# Allegro board mini_trx_layout.brd (continued)
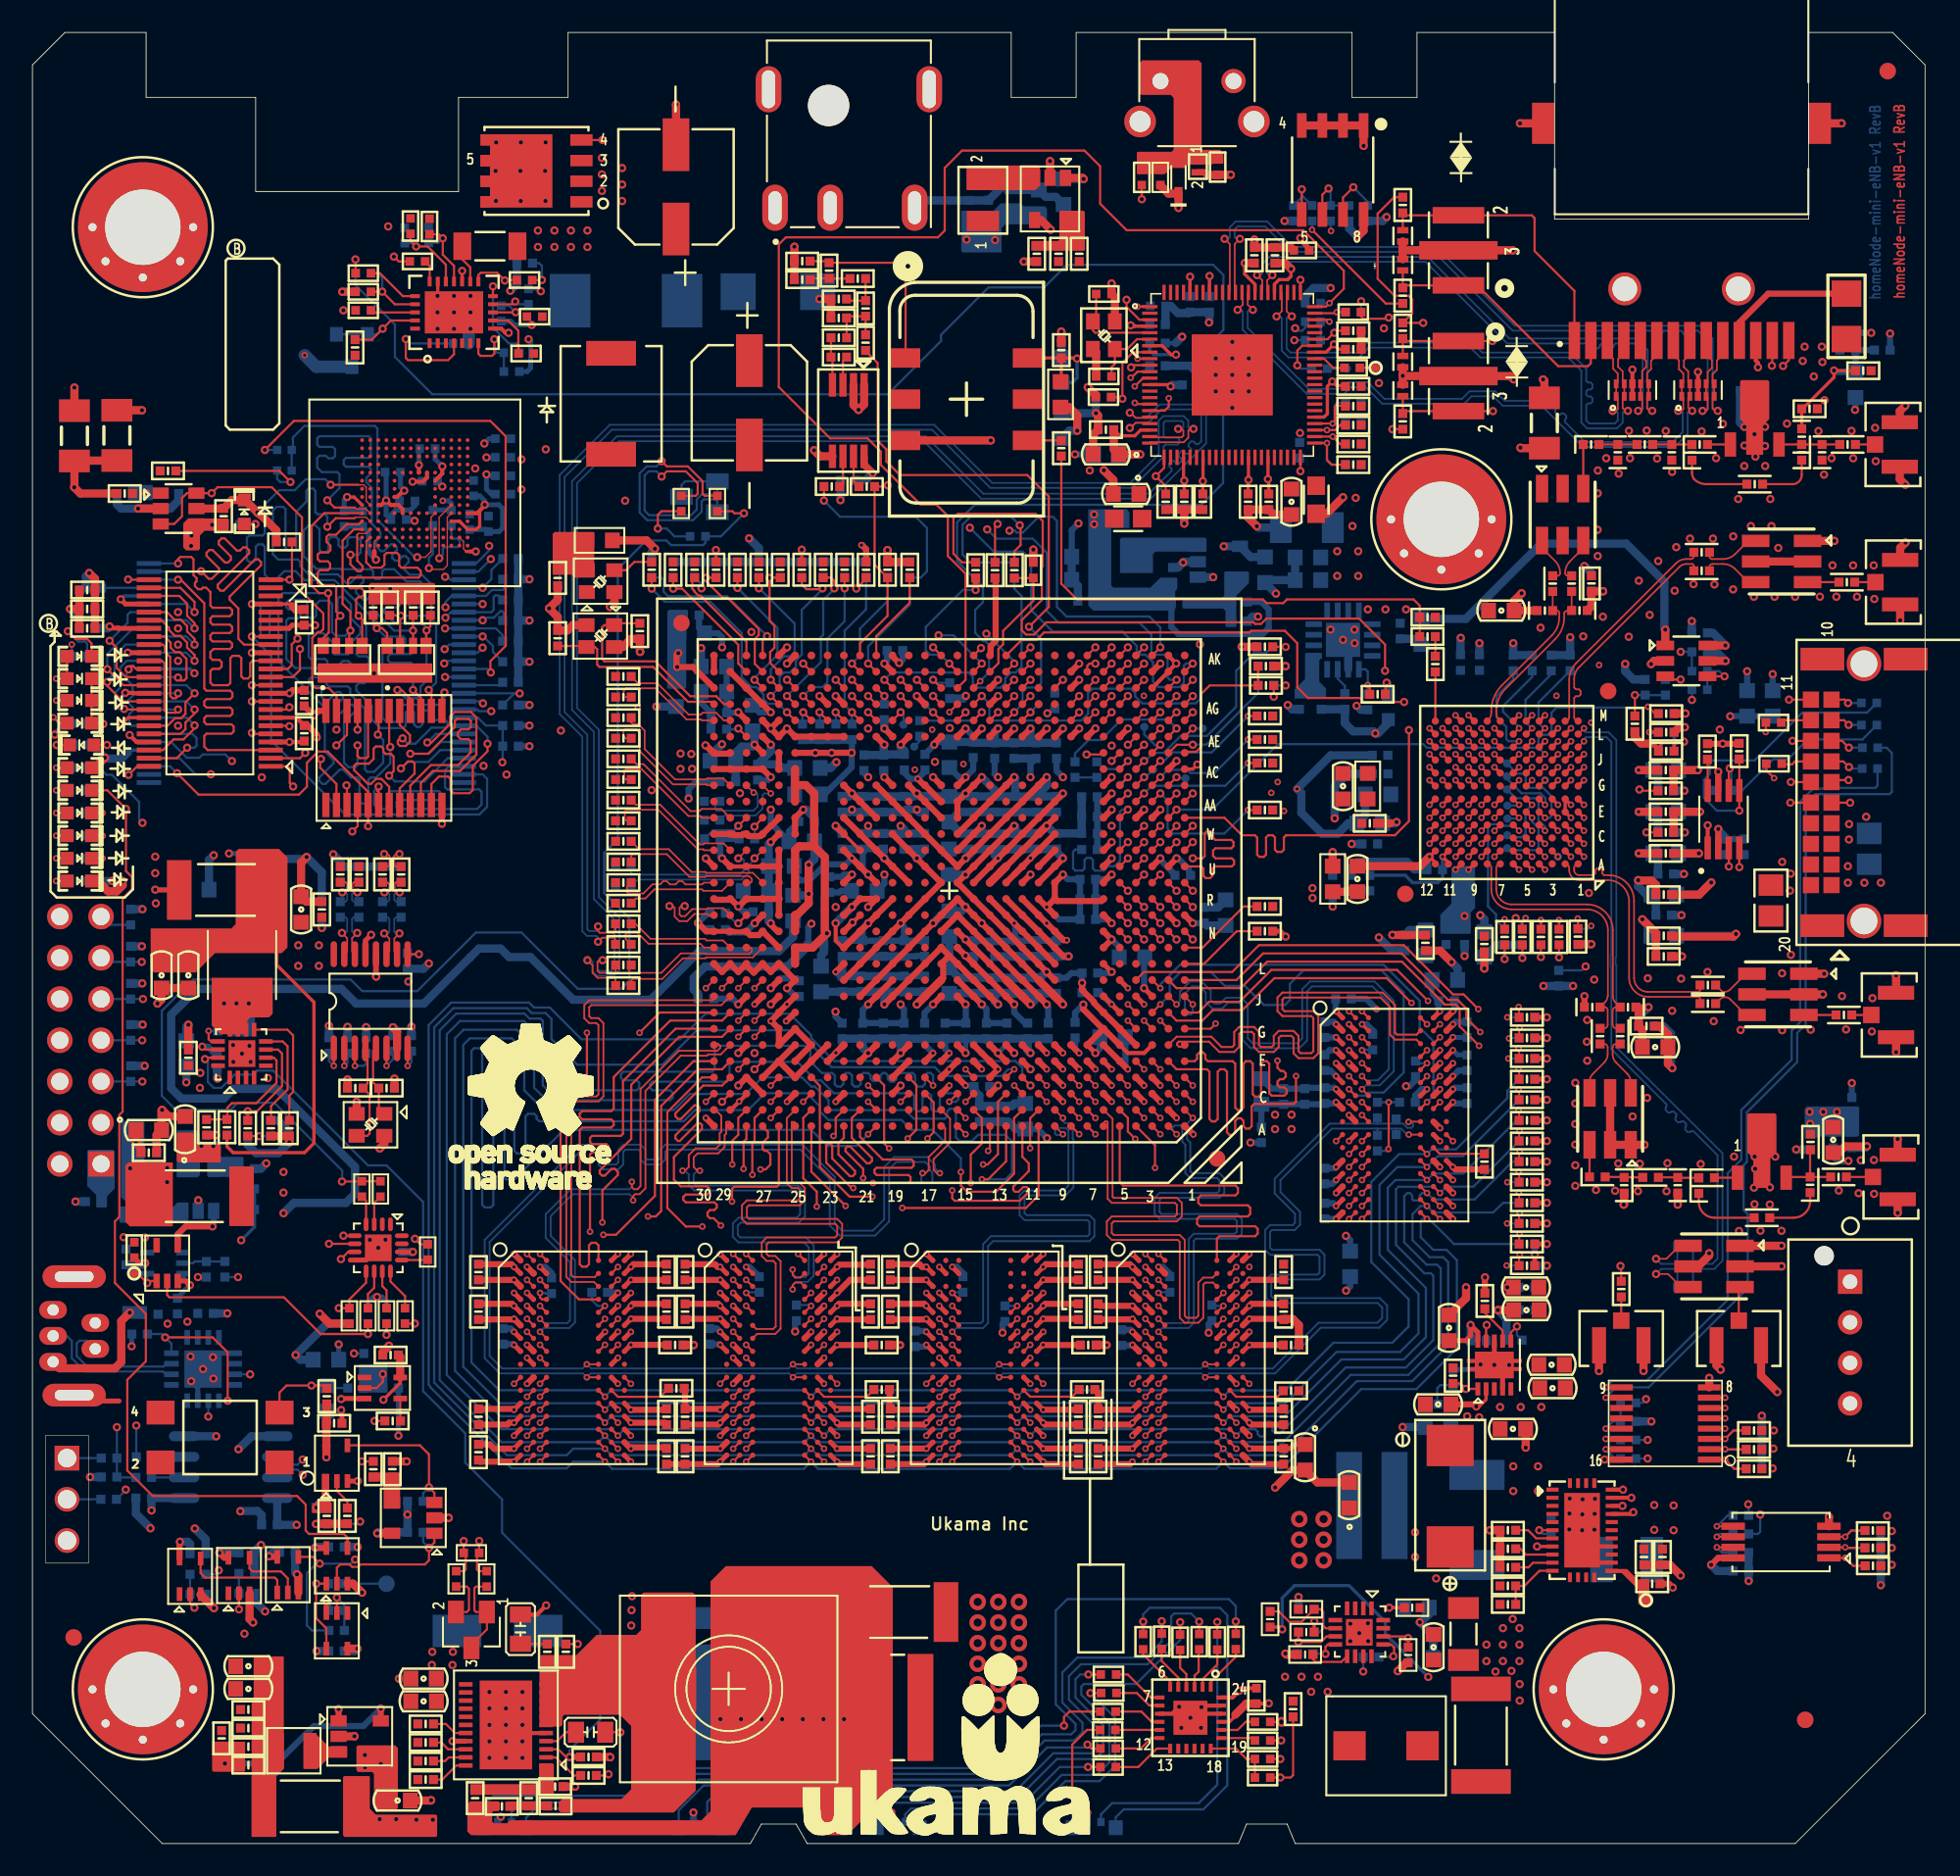
[diagram p0: board, top side]
## Routing (per net, layer and track width the routed paths; a pad name or vN(x,y) marks a point on that pad's centre or on a via; arc(x,y) is an arc through that point) (continued)
  BOTTOM w0.508: C130.1 6.37,20.33 v1(7.27,19.43) ; R370.1 R379.1 113.87,17.12 R384.1 v1(113.87,15.92) ; C397.2 10.67,15.02 v1(11.18,14.51) ; C322.2 C323.2 57.1,53.35 C330.2 C337.2 C344.2 C351.2 62.09,53.35 62.44,53.71 v1(62.49,53.71) ; v1(105.47,87.29) 105.2,87.56 C31.1 ; R445.2 96.02,55.41 v1(96.03,55.42) ; C312.2 54.63,63.56 v1(54.49,63.71) 53.84,63.71 C305.2 C296.2 C288.2 50.63,63.56 v1(50.49,63.71) 50.34,63.56 C279.2 ; C439.2 90.29,32.88 v1(90.28,32.87) 90.81,32.35 C165.2 ; C378.2 73.05,57.69 C380.2 ; C345.2 60.57,44.03 60.12,44.49 C338.2 R406.2 ; v1(2.32,76.08) 2.89,75.51 C294.2 ; v1(7.99,45.21) 7.95,45.18 C96.2 7.65,43.66 C97.2 ; C122.2 v1(102.23,75.32) ; v1(106.54,26.36) R209.1 R207.1 R205.1 ; v1(24.42,54.23) 24.09,53.9 R117.2 ; C420.2 85.22,74.23 C421.2 ; R391.1 52.47,68.72 v1(52.49,68.71) ; v1(101.02,47.79) 100.94,47.87 100.94,49.91 100.48,50.37 C144.1 ; C400.2 75.52,81.09 v1(75.44,81.17) ; v1(29.44,95.68) 29.84,96.09 C610.2 ; C411.2 C417.2 76.09,77.85 C620.2 75.94,77.69 v1(76.61,77.02) ; C390.2 16.19,16.7 v1(16.3,16.59) ; R563.2 18.15,32.04 v1(16.21,30.1) 16.5,29.81 C331.2 ; C601.2 63.05,101.47 62.43,101.47 C603.2 60.55,101.9 C602.2 59.73,102.09 C604.2 58.89,101.25 C605.2 54.8,101.25 J22.2 ; C251.2 41.01,52.36 40.74,52.63 40.74,53.34 41.44,54.04 46.51,54.04 C274.2 ; C128.2 21.56,36.45 v1(21.3,36.71) ; v1(80.74,74.17) 81.07,73.85 U65.6 ; R435.1 13.68,17.91 C388.2 13.69,18 v1(14.08,18.39) ; C313.2 C306.2 ; C306.2 53.69,62.5 v1(53.49,62.71) ; C306.2 C297.2 C289.2 ; v1(104.95,56.05) 104.84,55.93 C156.2 ; C393.2 82.11,63.38 C398.2 81.07,62.87 80.42,62.22 79.47,62.22 78.18,63.52 78.18,64.73 v2(77.92,64.99) 79.99,67.06 C407.2 ; v1(11.17,60.9) 10.87,60.61 C239.2 ; v1(51.77,84.44) 51.33,84 C181.2 ; C273.2 49.17,66.28 v1(49.53,66.64) ; R318.1 v1(6.78,57.57) ; R355.2 44.75,79.82 v1(44.15,80.43) ; R355.2 46.07,78.97 R365.2 47.39,78.97 R368.2 48.72,78.97 R374.2 R383.2 51.36,78.97 R150.2 ; R355.2 R353.2 R341.2 42.11,78.97 R337.2 40.79,78.97 R333.2 ; C354.2 C348.2 C341.2 C334.2 C327.2 57.1,63.56 C321.2 57.2,62.24 C328.2 C335.2 C342.2 ; C252.2 9.48,50.33 v1(9.6,50.46) ; v1(108.66,42.77) 108.68,42.75 C462.1 ; v1(18.53,60.96) 18.97,60.52 R334.1 R342.1 R332.1 R327.1 ; v1(103.43,59.22) 102.68,58.47 C440.2 ; C86.2 17.82,59.86 v1(16.89,60.79) 16.78,60.67 15.51,60.67 15.05,60.21 C241.2 ; C129.1 14.12,20.23 13.86,20.49 12.82,20.49 v1(12.81,20.48) ; R234.2 94.73,73.23 R235.1 v1(94.74,74.33) ; v1(62.49,62.71) 62.96,62.24 C355.2 63.1,62.25 C364.2 C363.2 C362.2 ; v1(78,15.19) 77.99,15.18 C201.2 ; v1(14.41,41.91) 14.08,41.58 R375.1 ; C177.2 v1(84.41,25.67) ; C342.2 60.55,62.65 v1(60.49,62.71) ; C342.2 C349.2 ; C112.2 99.91,72.88 v1(99.72,72.68) ; R465.2 R466.2 90.21,55.38 C414.2 v1(89.45,53.92) ; C437.2 v1(65.52,88.14) 65.51,88.15 R605.2 ; v1(105.73,16.18) C286.2 R382.2 ; C448.2 v1(102.59,66.14) ; R387.1 v1(2.65,39.56) ; R613.2 83.18,99.99 v1(83.43,100.23) ; C280.2 49.88,62.31 v1(49.49,62.71) ; v1(87.43,54.31) 87.8,53.94 C394.2 ; C430.2 v1(102.72,63.58) ; v1(10,19.41) 10.67,18.74 C389.2 ; C200.2 86.05,14.14 85.54,13.64 v1(85.47,13.64) 86.3,12.81 C203.2 ; C267.2 13.26,43.05 13.77,42.54 15.16,42.54 v1(15.83,43.21) 15.79,43.25 15.79,43.9 15.13,44.56 C266.2 ; C319.2 v1(57.48,59.7) ; v1(63.84,54.67) 63.84,54.67 C356.2 C350.2 C343.2 C336.2 ; v1(72.9,89.48) 72.2,89.48 C630.2 71.83,89.9 71.83,90.55 71.32,91.06 C639.2 ; 5.88,67.24 5.5,66.86 4.52,66.86 v1(4.46,66.91) 3.68,67.69 R103.1 ; U245.2 70.94,78.99 v1(70.89,78.94) 70.58,78.63 C616.2 ; R345.1 41.8,68.67 C258.2 ; C395.2 81.25,60.11 81.63,60.49 84.68,60.49 85.14,60.03 85.89,60.03 C399.1 85.91,60.65 v2(86.07,60.81) ; U31.5 13.49,25.1 v1(12.69,24.3) ; R122.1 v1(22.21,50.3) ; C226.2 v1(22.58,10.16) ; C210.2 6.48,35.66 6.49,35.67 6.84,35.67 v1(6.94,35.77) ; v1(20.03,18.27) 20.03,18.28 C275.2 ; LED10.2 83.53,69.04 82.9,68.41 v1(82.73,68.41) 82.61,68.54 81.36,68.54 80.85,69.04 C436.1 R449.1 ; 70.44,92.46 v1(70.83,92.85) ; C277.2 v1(17.5,11.86) ; C340.2 C347.2 ; v1(63.39,93.17) 63.41,93.14 C445.2 ; R63.1 v1(77.19,11.7) ; U31.4 v1(11.32,25.1) ; C626.2 69.81,93.62 R609.1 70.13,94.75 70.57,94.3 71.26,94.3 C629.2 C623.2 72.51,93.75 v1(72.49,93.73) ; R128.1 v1(20.56,50.31) ; R116.1 v1(23.35,50.34) ; R464.2 v1(93.3,35.61) ; v1(113.02,42.96) 112.94,42.88 C463.1 ; C619.2 64.41,77.5 C618.2 C617.2 ; C307.2 C298.2 C290.2 C281.2 C282.2 C287.2 C303.2 C308.2 ; U63.2 v1(10.21,39.64) ; v1(95.61,78.72) 96.05,78.28 C416.1 ; R586.2 74.88,75.31 75.17,75.61 v1(75.51,75.61) ; C160.2 v1(102.66,61.01) ; C418.2 87.98,74.27 v1(88,74.29) ; R130.1 v1(19.41,50.33) ; R132.1 v1(18.27,50.39)
  BOTTOM w0.762: v1(26.99,93.34) 26.87,93.22 C611.2 ; v2(16.77,91.71) 17.48,91 Q34.3
  vias: v1(8.32,32.03) v1(8.97,75.88) v1(8.97,74.88) v1(8.97,73.88) v1(8.97,72.88) v1(8.97,68.88) v1(9.74,30.01) v1(10.51,29.24) v1(11.15,28.65) v1(12.36,49.2) v1(12.38,48.17) v1(12.91,48.68) v1(13.37,49.16) v1(13.44,48.17) v1(14.13,65.7) v1(14.5,47.17) v1(18.73,68.64) v1(19.16,94.48) v1(20.79,37.2) v1(21.75,37.21) v1(21.92,99.65) v1(24.95,95.37) v1(24.95,94.35) v1(24.95,93.34) v1(25.97,95.37) v1(25.97,93.34) v1(26.99,95.37) v1(26.99,94.35) v1(27.28,84.73) v1(27.79,66.41) v1(28.15,9.34) v1(28.15,8.33) v1(28.15,7.31) v1(28.15,6.29) v1(28.15,5.28) v1(29.21,65.87) v1(29.17,9.34) v1(29.17,8.33) v1(29.17,7.31) v1(29.17,6.29) v1(29.17,5.28) v1(30.12,85.29) v1(30.12,83.44) v1(30.18,9.34) v1(30.18,8.33) v1(30.18,6.29) v1(30.18,5.28) v1(31.62,85.91) v1(36.94,15.24) v1(36.91,14.38) v1(36.89,13.43) v1(39.93,67.16) v1(39.93,66.22) v1(40.59,67.14) v1(40.64,66.22) v1(43.59,64.72) v1(44.3,74.65) v1(44.49,48.71) v1(49.49,57.71) v1(51.49,68.71) v1(51.49,62.71) v1(55.6,66.66) v1(56.51,68.74) v1(66.49,67.65) v1(66.49,62.71) v1(70.78,7.13) v1(71.99,7.13) v1(72.9,91.51) v1(72.9,90.5) v1(73.92,92.53) v1(73.92,91.51) v1(73.92,90.5) v1(73.92,89.48) v1(73.92,88.47) v1(74.93,91.51) v1(74.93,90.5) v1(74.93,89.48) v1(78.09,86.92) v1(79.97,74.8) v1(81.19,13.55) v1(81.19,12.47) v1(81.45,74.8) v1(81.46,73.97) v1(82.28,13.57) v1(82.29,12.47) v1(82.96,89.99) v1(83.26,93.37) v1(90.98,29.49) v1(92.91,74.92) v1(94.71,21.26) v1(94.69,20.33) v1(94.68,19.36) v1(95.05,46.88) v1(95.05,45.61) v1(95.05,44.34) v1(95.05,43.07) v1(95.05,41.8) v1(95.05,40.53) v1(95.54,74.39) v1(95.5,21.21) v1(95.49,20.28) v1(95.78,50.75) v1(95.76,49.41) v1(95.79,48.24) v1(95.89,58.57) v1(96.22,53.23) v1(96.24,20.32) v1(96.23,19.34) v1(96.33,40.28) v1(96.26,21.24) v1(96.44,84.61) v1(96.43,83.2) v1(96.42,80.95) v1(96.43,79.34) v1(96.75,75.6) v1(96.96,85.36) v1(97.51,40.23) v1(97.73,84.42) v1(97.7,41.91) v1(98.35,74.36) v1(98.36,87.06) v1(98.42,85.36) v1(98.58,44.8) v1(98.91,40.2) v1(98.97,77.82) v1(99.03,41.89) v1(99.45,87.07) v1(99.52,53.32) v1(99.48,45.95) v1(99.63,75.71) v1(100.09,85.35) v1(100.16,79.03) v1(100.63,87.04) v1(100.73,41.93) v1(100.67,40.2) v1(101.02,84.52) v1(101.02,51.32) v1(101.17,77.2) v1(101.27,79.88) v1(101.57,53.29) v1(102.12,80.41) v1(102.33,77.61) v1(102.84,87.02) v1(102.78,41.87) v1(103.2,53.7) v1(103.53,80.41) v1(103.62,77.59) v1(103.58,50.67) v1(103.73,85.37) v1(104.14,87.48) v1(104.78,80.55) v1(104.78,77.28) v1(104.83,42.33) v1(105.09,82.85) v1(105.14,37.74) v1(105.24,50.13) v1(105.47,86.14) v1(105.46,84.88) v1(105.87,81.18) v1(106.09,86.84) v1(106.06,76.83) v1(106.1,42.33) v1(106.13,41.58) v1(106.06,40.42) v1(106.09,39.4) v1(106.15,85.47) v1(106.46,37.76) v1(106.74,87.3) v1(106.74,86.12) v1(106.75,84.88) v1(107.04,40.44) v1(107.04,39.38) v1(107.07,82.85) v1(107.14,81.18) v1(107.33,76.83) v1(107.37,42.33) v1(107.56,79.84) v1(107.79,53.63) v1(107.8,50.12) v1(107.76,37.75) v1(108.09,87.5) v1(108.6,76.83) v1(109.56,50.15) v1(110.03,87.04) v1(110.12,76.83) v1(110.4,88.94) v1(110.37,84.36) v1(110.84,85.37) v1(110.9,78.76) v1(111.14,76.83) v1(111.29,40.24) v1(111.49,52.22) v1(111.73,50.17) v1(111.92,62.82) v1(111.91,61.87) v1(112.07,87.05) v1(112.17,85.36) v1(112.17,78.76) v1(112.41,76.83) v1(112.51,40.07) v1(112.64,42.1) v1(112.97,63.27) v1(113.32,50.04) v1(113.44,78.76) v1(113.36,52.09) v1(113.52,87.24) v1(113.48,76.69) v1(113.45,42.12) v1(113.46,40.03) v1(113.56,85.18) v2(37.29,70) v2(54.36,66.17) v2(55.43,68.64) v2(57.36,66.52) v2(68.47,70.72) v2(74.97,35.53) v2(93.89,70.73) v2(96.04,69.07) v2(96.52,72.62)
VDD_CORE: length 8.9
  TOP w0.137: U243.10 67.82,91.1 v1(67.68,90.96) ; U243.44 v1(78.12,84.57) ; U243.61 79.79,92.7 80.18,93.09 v1(80.21,93.09) 80.33,93.22 C638.1 ; C637.1 69.82,83.65 v1(69.21,84.26) 69.72,84.76 U243.23
  BOTTOM w0.137: C639.1 68.79,91.1 67.82,91.1 v1(67.68,90.96) ; C640.1 78.12,85.33 v1(78.12,84.57)
VDD_GPO: length 6.7
  TOP w0.203: U3.B8 v2(89.27,60.81)
  L6-SIGNAL w0.381: v1(89.2,57.2) 89.87,57.88 89.87,60.21 v2(89.27,60.81)
  BOTTOM w0.508: v1(89.2,57.2) 89.45,56.95 C414.1 ; L33.2 v1(80.11,57.74)
VDDA_1V3_BB: length 4
  TOP w0.203: U3.K4 v2(93.19,67.92)
  TOP w0.508: C429.1 v2(98.95,63.58)
  BOTTOM w0.508: v2(98.95,63.58) C430.1 100.15,63.27 L38.2
VDDA_1V3_RX_LO: length 6.4
  TOP w0.203: v2(94.79,64.01) U3.F2 U3.E2 v2(94.79,63.21)
  TOP w0.508: C435.1 100.02,59.08 99.76,59.34 98.95,59.34 v1(98.93,59.36)
  BOTTOM w0.508: L39.2 100.02,58.17 C440.1 99.43,58.47 98.93,58.98 v1(98.93,59.36)
VDDA_1V3_RX_SYNTH: length 4
  TOP w0.203: U3.J3 v2(93.99,67.12)
  TOP w0.508: C164.1 v2(98.95,61.01)
  BOTTOM w0.508: L14.2 100.15,60.71 C160.1 v2(98.95,61.01)
VDDA_1V3_RX_TX: length 5.4
  TOP w0.203: U3.D2 v2(94.79,62.41) ; U3.E3 v2(93.99,63.21) ; U3.D3 v2(93.99,62.41)
  TOP w0.508: L15.2 100.02,55.93 C163.1 100.02,56.11 v1(99.18,56.95)
  BOTTOM w0.508: v1(99.18,56.95) 99.18,56.9 99.71,56.37 C156.1
VDDA_1V3_TX_LO: length 5.2
  TOP w0.203: U3.B10 v2(87.67,60.81) ; U3.B9 v2(88.47,60.81)
  TOP w0.508: v1(83.79,55.98) 83.79,55.98 C413.1
  BOTTOM w0.203: 84.16,55.98 v1(83.79,55.98)
  BOTTOM w0.508: 84.16,55.98 L32.2 84.85,56.29 C412.1
VDDA_1V3_TX_SYNTH: length 4
  TOP w0.203: U3.K3 v2(93.99,67.92)
  TOP w0.508: C434.1 v2(98.95,66.14)
  BOTTOM w0.508: v2(98.95,66.14) C448.1 100.15,65.84 L41.2
VDDD_1V3_DIG: length 2.6
  TOP w0.203: 83.68,62.87 83.97,62.87 v1(84.04,62.94) ; U3.F12 v2(86.07,64.01)
  TOP w0.508: C401.1 83.68,62.87
  BOTTOM w0.508: C398.1 83.97,62.87 v1(84.04,62.94)
1P5: length 1
  BOTTOM w0.381: FB18.2 v1(64.23,85.6)
  vias: v1(57.55,98.83) v1(59.3,98.81) v1(65.14,84.61)
7130_BOOT_AD0: length 69.4
  TOP w0.137: U27.4 20.03,63.99 20.03,62.7 v1(19.71,62.37) ; v1(71.49,69.71) U1.AF1
  L6-SIGNAL w0.127: v1(19.71,62.37) 19.9,62.37 20.36,61.92 21,61.92 24.83,65.75 24.83,67.93 28.36,71.46 36.77,71.46 39.77,74.45 42.05,74.45 43.02,75.43 45.68,75.43 45.88,75.23 56.54,75.23 57.59,74.18 57.59,71.87 58.31,71.15 58.67,71.15 58.93,70.89 58.93,70.64 59.41,70.15 59.67,70.15 59.93,69.89 59.93,68.64 60.95,67.62 62.21,67.62 63.82,66 65.26,66 66.04,66.78 66.04,66.86 66.34,67.15 69.56,67.15 70.93,68.53 70.93,69.15 v1(71.49,69.71)
7130_BOOT_AD1: length 90.1
  TOP w0.137: v1(20.68,62.69) U27.5 20.68,64.8 18.19,67.29 17.6,67.29 16.91,66.6 16.91,65.13 16.42,64.64 10.23,64.64 v1(8.91,65.95) ; v1(70.49,69.71) U1.AF2
  L6-SIGNAL w0.083: 68.23,68.11 66.12,68.11
  L6-SIGNAL w0.127: 68.23,68.11 68.39,68.27 69.67,68.27 69.93,68.53 69.93,69.15 v1(70.49,69.71) ; 66.12,68.11 65.75,67.74 65.75,66.82 65.26,66.33 63.96,66.33 62.04,68.26 62.04,68.78 61.56,69.27 61.3,69.27 60.93,69.64 60.93,69.89 60.56,70.27 60.3,70.27 59.93,70.64 59.93,70.89 59.56,71.27 59.3,71.27 59.04,71.53 59.04,71.53 58.31,72.27 58.3,72.27 57.92,72.65 57.92,74.32 56.68,75.56 56.41,75.56 46.02,75.56 45.82,75.76 42.89,75.76 41.91,74.78 39.63,74.78 36.67,71.82 29.77,71.82 28.63,72.96 25.72,72.96 25.54,73.14 23.81,73.14 21.76,71.09 21.76,67.88 21.62,67.74 21.62,67.23 22.16,66.69 22.89,66.69 23.15,66.43 23.15,65.16 v1(20.68,62.69)
  BOTTOM w0.137: U64.31 8.48,66.38 v1(8.91,65.95)
7130_BOOT_AD2: length 94.3
  TOP w0.137: U27.6 21.33,64.8 21.26,64.87 21.26,65.06 v1(21.33,65.13) ; v1(69.49,68.71) U1.AE3
  L3-SIGNAL w0.127: v1(69.49,68.71) 70.26,67.94 70.26,67.59 69.85,67.18 69.17,67.18 68.99,67 68.99,66.37 68.78,66.15 68.27,66.15 67.97,65.85 67.97,65.35 67.8,65.18 67.33,65.18 67.01,64.86 67.01,64.43 66.74,64.15 53.16,64.15 53.04,64.03 53.04,63.71 52.91,63.58 52.65,63.58 52.53,63.71 52.53,64.03 52.4,64.15 52.15,64.15 52.02,64.03 52.02,63.71 51.89,63.58 51.64,63.58 51.51,63.71 51.51,64.03 51.38,64.15 45.3,64.15 45.14,63.99 43.35,63.99 39.27,59.91 38.03,59.91 37.91,59.78 37.91,59.38 37.78,59.25 37.53,59.25 37.4,59.38 37.4,59.78 37.27,59.91 37.02,59.91 36.89,59.78 36.89,59.38 36.76,59.25 36.51,59.25 36.38,59.38 36.38,59.78 36.26,59.91 36,59.91 35.87,59.78 35.87,59.38 35.75,59.25 35.49,59.25 35.37,59.38 35.37,59.78 35.24,59.91 34.99,59.91 34.86,59.78 34.86,59.38 34.73,59.25 34.48,59.25 34.35,59.38 34.35,59.78 34.22,59.91 33.97,59.91 33.84,59.78 33.84,59.38 33.72,59.25 33.46,59.25 33.33,59.38 33.33,59.78 33.21,59.91 32.95,59.91 32.83,59.78 32.83,59.38 32.7,59.25 32.45,59.25 32.32,59.38 32.32,59.78 32.19,59.91 31.94,59.91 31.81,59.78 31.81,59.38 31.68,59.25 31.43,59.25 31.3,59.38 31.3,59.78 31.18,59.91 30.92,59.91 30.79,59.78 30.79,59.38 30.67,59.25 30.41,59.25 30.29,59.38 30.29,59.78 30.16,59.91 29.91,59.91 29.78,59.78 29.78,59.38 29.65,59.25 29.4,59.25 29.27,59.38 29.27,59.78 29.14,59.91 28.89,59.91 28.76,59.78 28.76,59.38 28.64,59.25 28.38,59.25 28.25,59.38 28.25,59.78 28.13,59.91 27.41,59.91 23.03,64.29 23.03,65.95 23.15,66.06 23.15,66.43 22.89,66.69 22.52,66.69 22.07,66.25 21.79,66.25 21.53,65.99 21.53,65.76 21.33,65.56 v1(21.33,65.13)
  BOTTOM w0.137: v1(21.33,65.13) 21.05,64.86 21.05,64.02 21.32,63.75 21.74,63.75 21.88,63.89 21.88,64.71 22.02,64.85 25.05,64.85 25.19,64.71 25.19,64.44 25.05,64.3 22.56,64.3 22.43,64.16 22.43,63.89 22.56,63.75 27.4,63.75 27.67,64.03 27.67,64.82 27.53,64.95 25.55,64.95 25.42,65.09 25.42,66.14 25.65,66.38 26.58,66.38 U64.26
7130_BOOT_AD3: length 102.3
  TOP w0.137: v1(21.98,65.8) 22.25,66.08 22.25,66.98 22.09,67.14 21.75,67.14 21.62,67.28 21.62,67.46 21.48,67.6 21.16,67.6 21.02,67.46 21.02,66.84 20.72,66.54 19.95,66.54 19.82,66.41 19.82,66.15 20.66,65.3 20.86,65.3 21.16,65.6 21.49,65.6 21.98,65.12 U27.7 ; v1(71.49,70.71) U1.AG1
  L6-SIGNAL w0.083: 65.87,68.36 66.19,68.36 66.25,68.31 67.88,68.31 68.48,68.92 68.6,68.92 68.61,68.91
  L6-SIGNAL w0.127: v1(71.49,70.71) 70.93,70.15 69.3,70.15 69.04,69.89 69.04,69.34 68.61,68.91 ; 65.87,68.36 65.39,67.88 65.39,66.93 65.13,66.67 64.1,66.67 63.58,67.18 63.58,67.98 63.04,68.53 63.04,68.78 62.62,69.21 62.34,69.21 62.04,69.51 62.04,69.78 61.56,70.27 61.3,70.27 61.03,70.54 61.03,70.8 60.67,71.15 60.41,71.15 60.04,71.53 60.04,71.78 59.56,72.27 59.3,72.27 59,72.57 59,73.73 58.62,74.11 58.58,74.11 58.25,74.44 58.25,74.45 56.82,75.89 56.81,75.89 56.79,75.9 50.16,75.9 50.15,75.91 46.38,75.91 46.13,75.91 45.95,76.09 42.75,76.09 41.77,75.11 39.05,75.11 38.33,74.39 35.86,74.39 35.74,74.26 35.74,72.28 35.61,72.15 35.36,72.15 35.23,72.28 35.23,73.73 35.1,73.86 34.85,73.86 34.72,73.73 34.72,72.28 34.59,72.15 34.34,72.15 34.21,72.28 34.21,73.73 34.09,73.86 33.83,73.86 33.7,73.73 33.7,72.28 33.58,72.15 33.32,72.15 33.2,72.28 33.2,73.73 33.07,73.86 32.82,73.86 32.69,73.73 32.69,72.28 32.56,72.15 32.31,72.15 32.18,72.28 32.18,73.73 32.05,73.86 31.8,73.86 31.67,73.73 31.67,72.28 31.55,72.15 31.29,72.15 31.16,72.28 31.16,74.24 30.89,74.52 29.66,74.52 29.54,74.39 29.54,73.63 29.41,73.5 29.15,73.5 29.03,73.63 29.03,74.39 28.9,74.52 28.35,74.52 28.15,74.32 28.15,73.52 27.91,73.27 27.86,73.27 27.83,73.24 26.35,73.24 25.57,74.02 24.04,74.02 20.86,70.84 20.86,70.36 20.99,70.24 21.35,70.24 21.48,70.11 21.48,69.85 21.35,69.73 20.99,69.73 20.86,69.6 20.86,66.92 v1(21.98,65.8)
  BOTTOM w0.137: U64.25 25.59,66.88 24.16,65.45 22.33,65.45 v1(21.98,65.8)
7130_BOOT_AD4: length 97.3
  TOP w0.137: v1(71.49,71.71) U1.AH1 ; v1(22.7,66.25) 23.14,66.68 23.4,66.68 23.54,66.55 23.54,65.93 22.63,65.02 U27.8
  L3-SIGNAL w0.127: v1(22.7,66.25) 22.7,63.58 23.29,62.99 23.29,62.81 22.97,62.5 22.97,62.32 23.15,62.14 23.33,62.14 23.65,62.45 23.83,62.45 24.01,62.27 24.01,62.09 23.69,61.78 23.69,61.6 23.87,61.42 24.05,61.42 24.36,61.73 24.54,61.73 24.72,61.55 24.72,61.37 24.41,61.06 24.41,60.88 24.59,60.7 24.77,60.7 25.08,61.02 25.26,61.02 25.44,60.84 25.44,60.66 25.13,60.34 25.13,60.16 25.31,59.98 25.49,59.98 25.8,60.3 25.98,60.3 26.16,60.12 26.16,59.94 25.84,59.62 25.84,59.44 26.02,59.26 26.2,59.26 26.52,59.58 26.7,59.58 27.41,58.87 28.05,58.87 28.18,58.74 28.18,58.31 28.31,58.18 28.56,58.18 28.69,58.31 28.69,58.74 28.82,58.87 29.07,58.87 29.2,58.74 29.2,58.31 29.32,58.18 29.58,58.18 29.71,58.31 29.71,58.74 29.83,58.87 30.09,58.87 30.21,58.74 30.21,58.31 30.34,58.18 30.59,58.18 30.72,58.31 30.72,58.74 30.85,58.87 31.1,58.87 31.23,58.74 31.23,58.31 31.36,58.18 31.61,58.18 31.74,58.31 31.74,58.74 31.86,58.87 32.12,58.87 32.25,58.74 32.25,58.31 32.37,58.18 32.63,58.18 32.75,58.31 32.75,58.74 32.88,58.87 33.13,58.87 33.26,58.74 33.26,58.31 33.39,58.18 33.64,58.18 33.77,58.31 33.77,58.74 33.9,58.87 34.15,58.87 34.28,58.74 34.28,58.31 34.4,58.18 34.66,58.18 34.79,58.31 34.79,58.74 34.91,58.87 35.17,58.87 35.29,58.74 35.29,58.31 35.42,58.18 35.67,58.18 35.8,58.31 35.8,58.74 35.93,58.87 36.18,58.87 36.31,58.74 36.31,58.31 36.44,58.18 36.69,58.18 36.82,58.31 36.82,58.74 36.94,58.87 37.2,58.87 37.33,58.74 37.33,58.31 37.45,58.18 37.71,58.18 37.83,58.31 37.83,58.74 37.96,58.87 38.21,58.87 38.34,58.74 38.34,58.31 38.47,58.18 38.72,58.18 38.85,58.31 38.85,58.74 38.98,58.87 38.99,58.87 43.37,63.25 45.96,63.25 46.08,63.12 46.08,61.87 46.21,61.74 46.46,61.74 46.59,61.87 46.59,63.12 46.72,63.25 46.97,63.25 47.1,63.12 47.1,61.87 47.23,61.74 47.48,61.74 47.61,61.87 47.61,63.12 47.73,63.25 54.4,63.25 54.53,63.12 54.53,62.55 54.66,62.43 54.91,62.43 55.04,62.55 55.04,63.12 55.16,63.25 55.42,63.25 55.55,63.12 55.55,62.55 55.67,62.43 55.93,62.43 56.05,62.55 56.05,63.12 56.18,63.25 66.15,63.25 66.2,63.2 66.66,63.2 67,63.55 67,63.86 67.3,64.16 67.67,64.16 67.69,64.14 67.93,64.38 67.93,64.84 68.35,65.27 68.67,65.27 68.93,65.53 68.93,65.84 69.34,66.25 70.66,66.25 72.26,67.85 72.26,70.59 71.49,71.36 v1(71.49,71.71)
  BOTTOM w0.137: U64.24 26.58,67.38 25.13,67.38 24.4,66.65 23.1,66.65 v1(22.7,66.25)
7130_BOOT_AD5: length 107
  TOP w0.137: v1(23.28,67.16) 24.38,67.16 26,68.77 26,68.78 26.02,68.8 26.02,69.17 26.15,69.3 26.87,69.3 27.01,69.17 27.01,68.8 26.87,68.66 26.4,68.66 26.2,68.46 26.2,68.25 26.39,68.06 26.86,68.06 26.99,67.92 26.99,67.23 26.22,66.45 24.54,66.45 23.28,65.19 U27.9 ; v1(70.49,70.71) U1.AG2
  L3-SIGNAL w0.083: 68.93,67.89 68.93,68.76 69.29,69.12 70.71,69.12 70.95,69.36
  L3-SIGNAL w0.127: v1(70.49,70.71) 70.95,70.24 70.95,69.36 ; 68.93,67.89 68.96,67.86 68.96,67.49 68.7,67.22 68.31,67.22 67.95,66.86 67.95,66.3 67.8,66.15 67.3,66.15 67.04,65.89 67.04,65.36 66.89,65.21 64.74,65.21 63.58,66.36 58.53,66.36 57.65,67.24 57.06,67.24 57,67.19 51.66,67.19 50.33,65.86 46.43,65.86 45.81,66.48 43.58,66.48 41.82,64.73 41.82,64.55 42.43,63.94 42.43,63.76 42.25,63.58 42.07,63.58 41.46,64.19 41.28,64.19 41.11,64.01 41.11,63.83 41.71,63.22 41.71,63.04 41.53,62.86 41.35,62.86 40.75,63.47 40.57,63.47 40.39,63.29 40.39,63.11 40.99,62.5 40.99,62.32 40.82,62.14 40.64,62.14 40.03,62.75 39.85,62.75 39.67,62.57 39.67,62.39 40.28,61.78 40.28,61.6 40.1,61.42 39.92,61.42 39.31,62.03 39.13,62.03 38.48,61.38 37.8,61.38 37.68,61.26 37.68,60.37 37.55,60.24 37.3,60.24 37.17,60.37 37.17,61.26 37.04,61.38 36.79,61.38 36.66,61.26 36.66,60.37 36.53,60.24 36.28,60.24 36.15,60.37 36.15,61.26 36.03,61.38 35.77,61.38 35.65,61.26 35.65,60.37 35.52,60.24 35.26,60.24 35.14,60.37 35.14,61.26 35.01,61.38 34.76,61.38 34.63,61.26 34.63,60.37 34.5,60.24 34.25,60.24 34.12,60.37 34.12,61.26 33.99,61.38 33.74,61.38 33.61,61.26 33.61,60.37 33.49,60.24 33.23,60.24 33.11,60.37 33.11,61.26 32.98,61.38 32.72,61.38 32.6,61.26 32.6,60.37 32.47,60.24 32.22,60.24 32.09,60.37 32.09,61.26 31.96,61.38 31.71,61.38 31.58,61.26 31.58,60.37 31.45,60.24 31.2,60.24 31.07,60.37 31.07,61.26 30.95,61.38 30.69,61.38 30.57,61.26 30.57,60.37 30.44,60.24 30.18,60.24 30.06,60.37 30.06,61.26 29.93,61.38 29.68,61.38 29.55,61.26 29.55,60.37 29.42,60.24 29.17,60.24 29.04,60.37 29.04,61.26 28.91,61.38 28.66,61.38 28.53,61.26 28.53,60.37 28.41,60.24 28.15,60.24 28.03,60.37 28.03,61.26 27.9,61.38 27.46,61.38 25.05,63.8 24.87,63.8 24.62,63.55 24.44,63.55 24.26,63.73 24.26,63.91 24.51,64.16 24.51,64.34 24.33,64.52 24.15,64.52 23.9,64.27 23.72,64.27 23.54,64.45 23.54,64.63 23.79,64.88 23.79,65.06 23.48,65.37 23.48,66.96 v1(23.28,67.16)
  BOTTOM w0.137: U64.23 25.15,67.88 24.42,67.16 v1(23.28,67.16)
7130_BOOT_AD6: length 105.2
  TOP w0.137: v1(24.33,67.85) 24.59,67.85 25.72,68.98 25.72,69.44 26.01,69.73 27.01,69.73 27.35,69.39 27.35,67.11 26.34,66.09 24.66,66.09 23.93,65.35 U27.10 ; v1(69.49,69.71) U1.AF3
  L3-SIGNAL w0.083: 68.5,69.19 68.6,69.19 69.12,69.71 v1(69.49,69.71)
  L3-SIGNAL w0.127: 68.5,69.19 67.06,69.19 66.05,68.18 56.45,68.18 56.07,68.55 56.07,68.88 55.77,69.18 54.05,69.18 53.81,68.94 53.17,68.94 52.92,69.18 52.33,69.18 52.04,68.89 52.04,68.52 51.74,68.22 50.37,68.22 50.09,68.5 49.41,68.5 49.28,68.37 49.28,67.79 49.15,67.66 48.9,67.66 48.77,67.79 48.77,68.37 48.65,68.5 48.39,68.5 48.27,68.37 48.27,67.79 48.14,67.66 47.88,67.66 47.76,67.79 47.76,68.37 47.63,68.5 47.25,68.5 45.98,67.23 41.28,67.23 41.25,67.26 41.22,67.26 40.82,67.66 39.24,67.66 38.79,67.2 38.79,66.69 38.91,66.56 39.24,66.56 39.37,66.44 39.37,66.18 39.24,66.06 38.91,66.06 38.79,65.93 38.79,65.68 38.91,65.55 39.24,65.55 39.37,65.42 39.37,65.17 39.24,65.04 38.91,65.04 38.79,64.91 38.79,64.48 38.61,64.31 37.77,64.31 37.62,64.46 37.62,66.17 37.18,66.62 36.69,66.62 36.56,66.49 36.56,64 36.43,63.87 36.18,63.87 36.05,64 36.05,66.49 35.93,66.62 35.67,66.62 35.55,66.49 35.55,64 35.42,63.87 35.16,63.87 35.04,64 35.04,66.49 34.91,66.62 34.66,66.62 34.53,66.49 34.53,64 34.4,63.87 34.15,63.87 34.02,64 34.02,66.49 33.89,66.62 33.64,66.62 33.51,66.49 33.51,64 33.39,63.87 33.13,63.87 33.01,64 33.01,66.49 32.88,66.62 32.62,66.62 32.5,66.49 32.5,64 32.37,63.87 32.12,63.87 31.99,64 31.99,66.49 31.86,66.62 31.61,66.62 31.48,66.49 31.48,64 31.35,63.87 31.1,63.87 30.97,64 30.97,66.49 30.85,66.62 30.28,66.62 29.5,67.4 29.5,67.58 29.64,67.71 29.64,67.89 29.46,68.07 29.28,68.07 29.14,67.94 28.96,67.94 28.67,68.23 27.51,68.23 27.13,67.85 v1(24.33,67.85)
  BOTTOM w0.137: v1(24.33,67.85) 24.86,68.38 U64.22
7130_BOOT_AD7: length 101.2
  TOP w0.137: v1(28.04,67.77) 28.04,67.31 27.13,66.4 27.13,64.92 26.93,64.72 25.94,64.72 25.75,64.92 25.75,65.6 25.6,65.75 25.04,65.75 24.58,65.29 U27.11 ; U1.AE4 v1(67.49,67.71)
  L3-SIGNAL w0.127: v1(28.04,67.77) 27.74,67.48 26.53,67.48 26.4,67.35 26.4,65.93 26.27,65.8 26.02,65.8 25.89,65.93 25.89,67.35 25.76,67.48 25.35,67.48 24.77,66.9 24.77,66.29 25.04,66.01 25.04,65.83 24.6,65.39 24.6,65.21 24.78,65.03 24.96,65.03 25.4,65.47 25.58,65.47 25.76,65.29 25.76,65.11 25.32,64.67 25.32,64.49 25.5,64.31 25.68,64.31 26.12,64.75 26.3,64.75 26.48,64.57 26.48,64.39 26.04,63.95 26.04,63.77 26.22,63.59 26.4,63.59 26.84,64.03 27.02,64.03 27.2,63.85 27.2,63.67 26.76,63.23 26.76,63.05 26.94,62.87 27.12,62.87 27.56,63.31 27.74,63.31 28.09,62.96 28.58,62.96 28.71,62.83 28.71,61.89 28.83,61.77 29.09,61.77 29.21,61.89 29.21,62.83 29.34,62.96 29.59,62.96 29.72,62.83 29.72,61.89 29.85,61.77 30.1,61.77 30.23,61.89 30.23,62.83 30.36,62.96 30.61,62.96 30.74,62.83 30.74,61.89 30.86,61.77 31.12,61.77 31.25,61.89 31.25,62.83 31.37,62.96 31.63,62.96 31.75,62.83 31.75,61.89 31.88,61.77 32.13,61.77 32.26,61.89 32.26,62.83 32.39,62.96 32.64,62.96 32.77,62.83 32.77,61.89 32.9,61.77 33.15,61.77 33.28,61.89 33.28,62.83 33.4,62.96 33.66,62.96 33.79,62.83 33.79,61.89 33.91,61.77 34.17,61.77 34.29,61.89 34.29,62.83 34.42,62.96 34.67,62.96 34.8,62.83 34.8,61.89 34.93,61.77 35.18,61.77 35.31,61.89 35.31,62.83 35.44,62.96 35.69,62.96 35.82,62.83 35.82,61.89 35.94,61.77 36.2,61.77 36.33,61.89 36.33,62.83 36.45,62.96 36.71,62.96 36.83,62.83 36.83,61.89 36.96,61.77 37.21,61.77 37.34,61.89 37.34,62.83 37.47,62.96 38.36,62.96 38.96,63.56 39.14,63.56 39.52,63.19 39.7,63.19 39.88,63.37 39.88,63.55 39.5,63.92 39.5,64.1 40.24,64.84 41.13,64.84 41.36,65.07 41.36,65.25 40.97,65.64 40.97,65.82 41.15,66 41.33,66 41.72,65.61 41.9,65.61 42.08,65.79 42.08,65.97 41.68,66.36 41.68,66.54 41.86,66.72 42.04,66.72 42.44,66.33 42.62,66.33 43.11,66.81 45.94,66.81 46.36,66.4 46.78,66.4 46.91,66.53 46.91,67.18 47.04,67.3 47.29,67.3 47.42,67.18 47.42,66.53 47.55,66.4 49.14,66.4 49.34,66.19 50.18,66.19 52.23,68.25 55.7,68.25 56.13,67.81 58.19,67.81 58.32,67.68 58.32,67.3 58.44,67.18 58.7,67.18 58.82,67.3 58.82,67.68 58.95,67.81 59.2,67.81 59.33,67.68 59.33,67.3 59.46,67.18 59.71,67.18 59.84,67.3 59.84,67.68 59.97,67.81 60.22,67.81 60.35,67.68 60.35,67.3 60.47,67.18 60.73,67.18 60.86,67.3 60.86,67.68 60.98,67.81 61.24,67.81 61.36,67.68 61.36,67.3 61.49,67.18 61.74,67.18 61.87,67.3 61.87,67.68 62,67.81 62.88,67.81 63.01,67.68 63.01,67.52 64.34,66.18 66.76,66.18 67.04,66.47 67.04,66.89 67.49,67.35 67.49,67.7 v1(67.49,67.71)
  BOTTOM w0.137: v1(28.04,67.77) 28.04,68.2 27.36,68.88 U64.21
